# Altium PCB ct_mainpcb.PcbDoc (part 2 of 3)
Units mil, origin at the board's own origin, x right, y up, seen from the top; angles counter-clockwise.
Board outline 3320.87 x 2230 mil, 4 copper layers (Component Side, Ground Plane, Power Plane, Solder Side), stack 33.156 mil thick; 163 components, 169 nets, 876 pads, 286 vias.
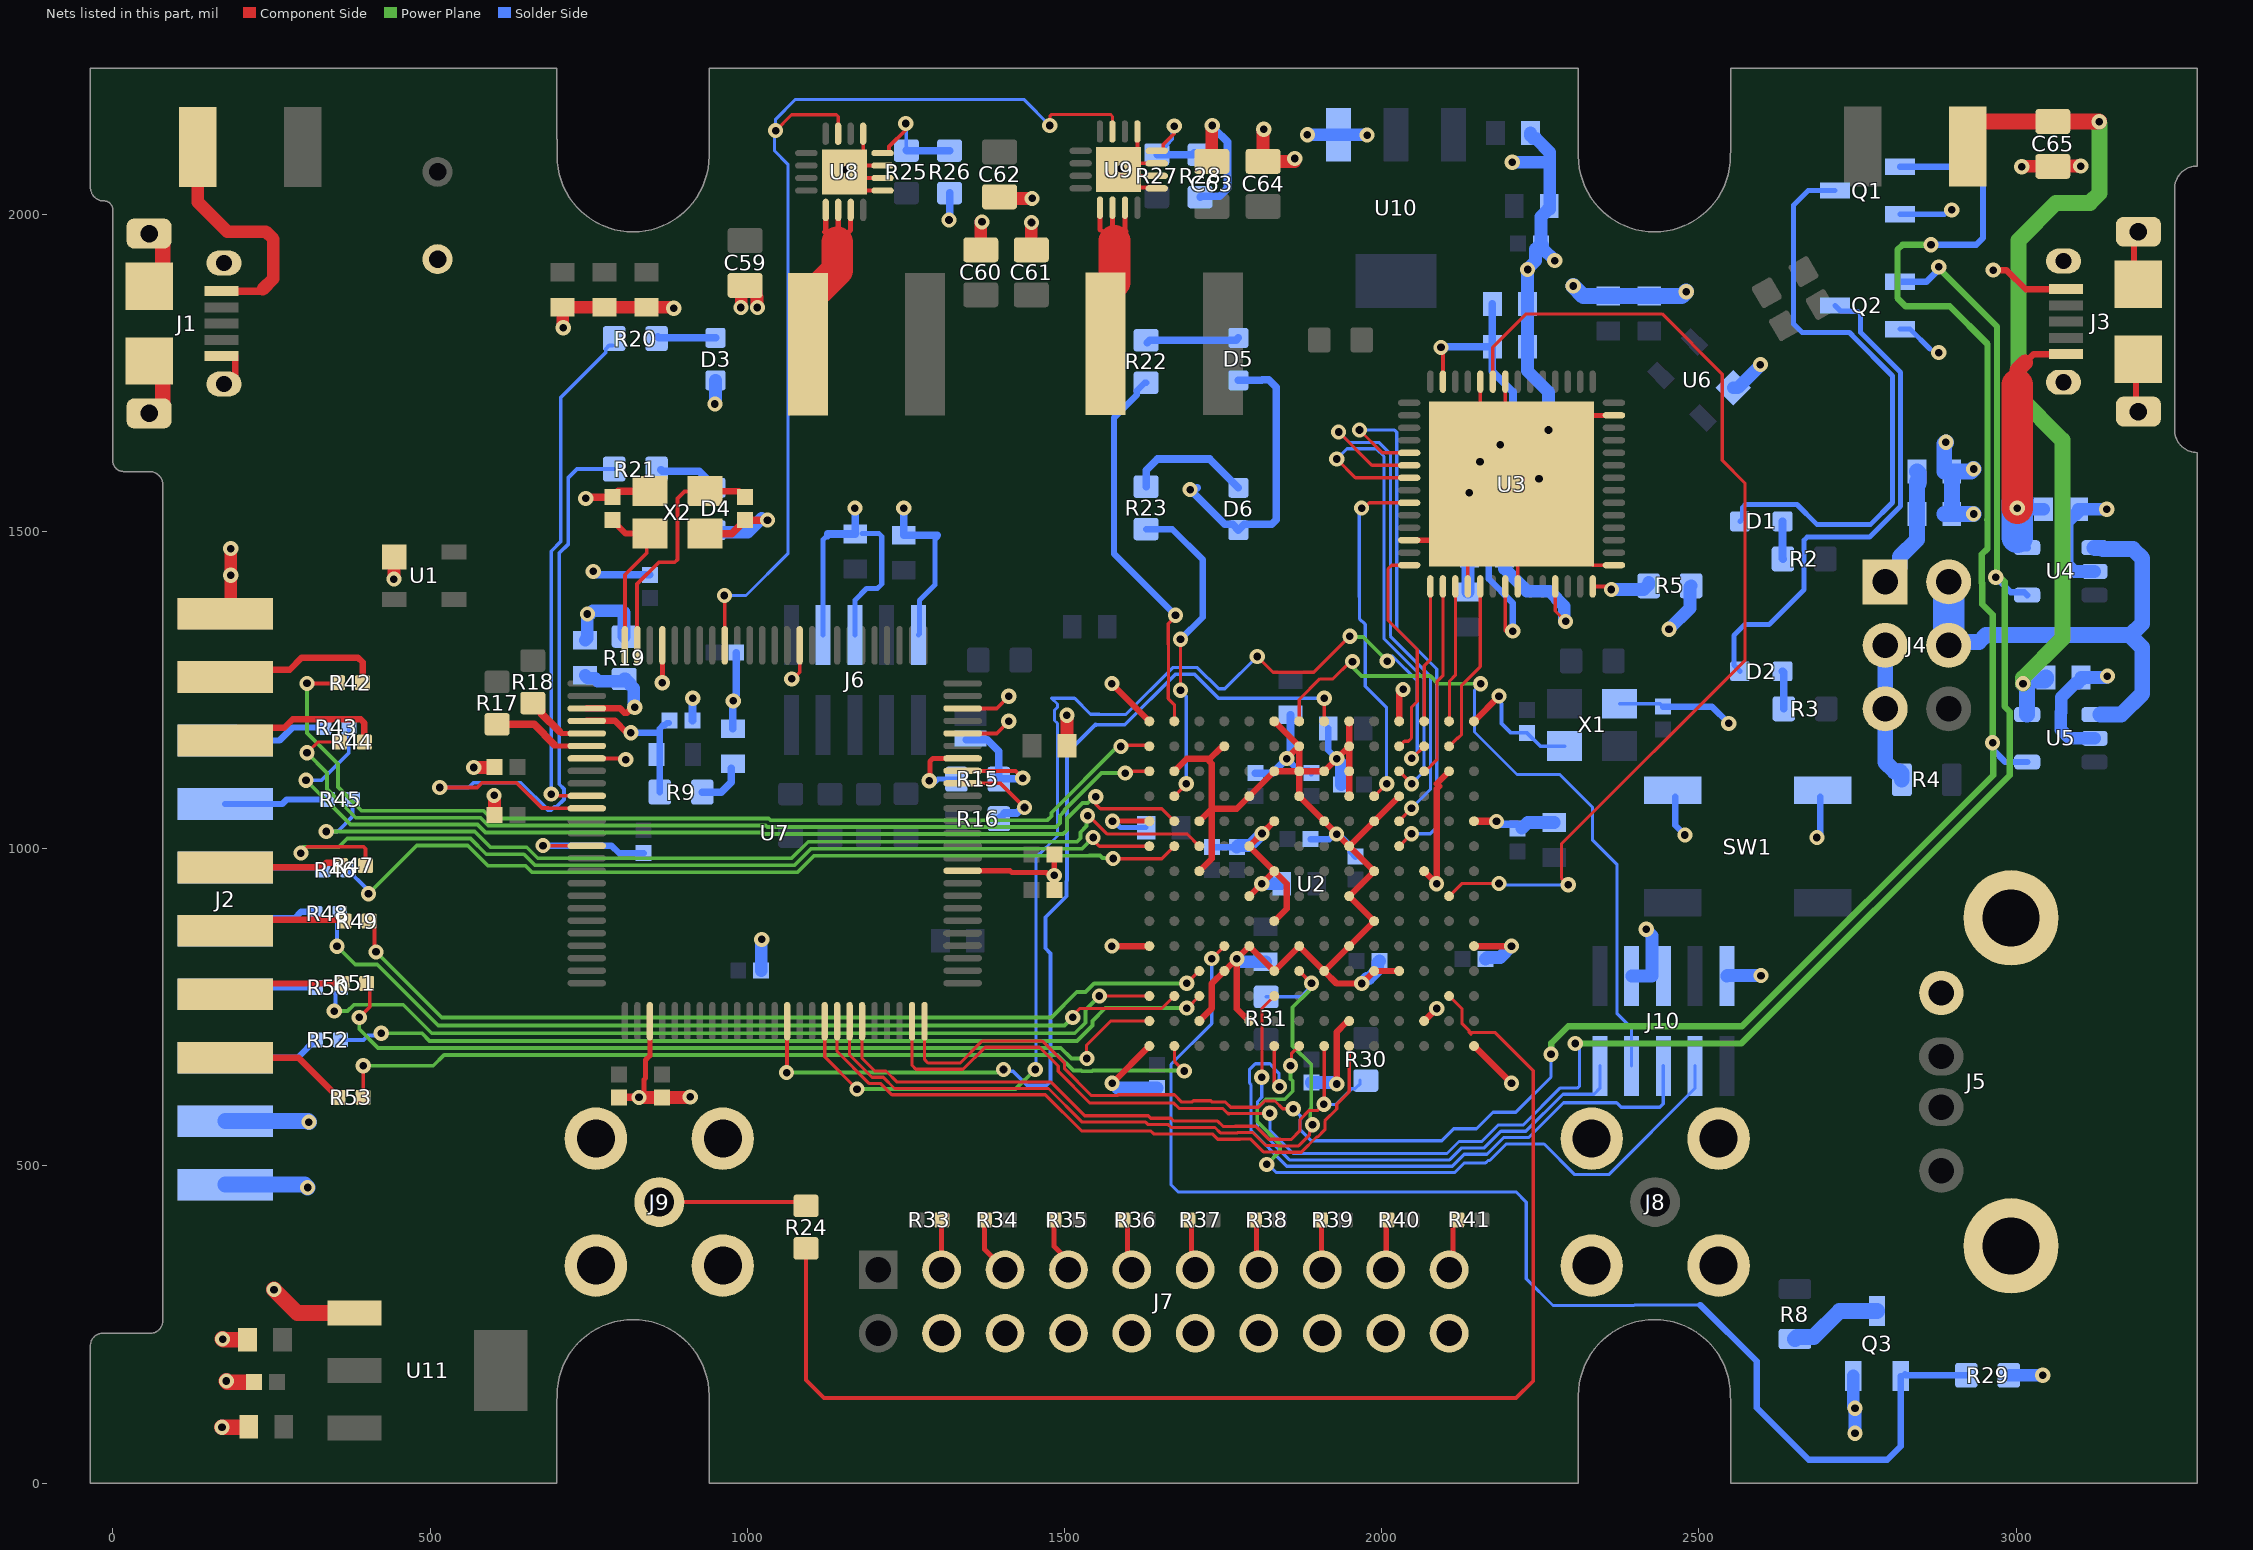
[diagram p4: the nets of this part, all layers, seen from the top]

## Via types
v1: diameter 24, hole 12, Component Side to Solder Side, tented both sides, 279 vias
v2: diameter 200, hole 130, Component Side to Solder Side, 4 vias
v3: diameter 24, hole 12, Component Side to Solder Side, 3 vias

## Nets (pads, with @x,y where several pads share a name; then routed paths per layer and width w, separated by ;. In a path a pad name is that pad's centre, name@x,y a point inside that pad or via, vN(x,y) a via of type N, cw(c..) or ccw(c..) an arc to the next point about the centre after c; other vN are vias at no path point) (continued)
F_USB24: U2.D10 U3.37 | length 560.1
  Component Side w5: v1(1968.32,1536.84) 1972.31,1536.84 1980.75,1545.28 U3.37@2043.31,1545.28 ; U2.D10@1988.19,1082.68 v1(2007.87,1102.36)
  Solder Side w5: v1(1968.32,1536.84) 1964.75,1533.28 1964.75,1396.68 1964.96,1396.47 1964.96,1362.73 1974.2,1353.48 1974.2,1255.85 2007.87,1222.18 v1(2007.87,1102.36)
F_USB25: U2.C11 U3.35 | length 790.8
  Component Side w5: v1(1929.13,1614.17) 1958.65,1584.65 U3.35@2043.31,1584.65 ; U2.C11@2027.56,1122.05 v1(2047.24,1102.36)
  Solder Side w5: v1(1929.13,1614.17) 1945.46,1630.5 1991.54,1630.5 2003.75,1618.29 2003.75,1330.88 2066.74,1267.89 2066.74,1121.86 v1(2047.24,1102.36)
F_USB26: U2.E11 U3.34 | length 854.3
  Component Side w5: v1(1932.17,1656.82) 1984.67,1604.33 U3.34@2043.31,1604.33 ; U2.E11@2027.56,1043.31 2027.56,1044.18 v1(2047,1063.62)
  Solder Side w5: v1(1932.17,1656.82) 1948.5,1640.5 1995.69,1640.5 2013.75,1622.43 2013.75,1335.02 2076.74,1272.03 2076.74,1093.37 v1(2047,1063.62)
F_USB27: U2.F11 U3.33 | length 873.9
  Component Side w5: v1(1965,1660) 2000.98,1624.02 U3.33@2043.31,1624.02 ; U2.F11@2027.56,1003.94 2047,1023.38 v1(2047,1023.57)
  Solder Side w5: v1(1965,1660) 1965.25,1659.75 2020.38,1659.75 2023.75,1656.38 2023.75,1346.28 2086.74,1283.29 2086.74,1033.59 2076.72,1023.57 v1(2047,1023.57)
F_USB28: U2.B11 U3.42 | length 350
  Component Side w5: U2.B11@2027.56,1161.42 2027.99,1161.42 2035.86,1169.29 2042,1169.29 2047,1174.29 2047,1223 2056,1232 2056,1314 2010,1360 2010,1441 2015.85,1446.85 U3.42@2043.31,1446.85
F_USB29: U2.A12 U3.43 | length 216.7
  Component Side w5: U2.A12@2066.93,1200.79 2067.24,1201.1 2067.24,1288.24 2076.77,1297.77 U3.43@2076.77,1413.39
F_USB30: U2.C12 U3.44 | length 304.8
  Component Side w5: U2.C12@2066.93,1122.05 2069.05,1122.05 2087,1140 2087,1263 2096.46,1272.46 U3.44@2096.46,1413.39
F_USB31: U2.A13 U3.45 | length 216.7
  Component Side w5: U2.A13@2106.3,1200.79 2107,1201.49 2107,1264 2116.14,1273.14 U3.45@2116.14,1413.39
F_USB32: U2.B13 U3.47 | length 273
  Component Side w5: U2.B13@2106.3,1161.42 2118.88,1174 2120,1174 2126,1180 2126,1257.42 2155.51,1286.93 U3.47@2155.51,1413.39
F_USBFE_CLK: U2.H13 U3.23 | length 1614.2
  Component Side w5: U2.H13@2106.3,925.2 2125.98,944.88 2184.89,944.88 v1(2185.04,945.03) ; U3.23@2175.2,1736.22 2175.2,1790.2 2228,1843 2441.99,1843 2537,1747.99 2537,1611.99 2572.5,1576.49 2572.5,1296.5 2283.36,1007.36 2283.36,953.64 v1(2294,943)
  Solder Side w5: v1@2191,948 2191,945.82 2193.82,943 v1(2294,943)
F_VBDC: Q3.1 R29.2 U2.K4 | length 2072.1
  Component Side w5: v1(1732.28,826.77) U2.K4@1751.97,846.46
  Solder Side w5: v1(1732.28,826.77) 1732.28,724.28 1668,660 1668,470 1679,459 2211.77,459 2228,442.77 2228,322 2270,280 2397.74,280 2398.53,280.79 2502,280.79
  Solder Side w10: 2502,280.79 2591,191.79 2591,119 2673,37 2797,37 2818.23,58.23 Q3.1@2818.23,168.77 ; Q3.1@2825,172 2825,171.02 2826.02,170 R29.2@2921.54,170
F_VBHOST: Q1.1 U5.4 U7.25 | length 3510.7
  Component Side w5: U7.25@1279.53,727.99 1279.53,667.47 1284.79,662.21 1335.93,662.21 1370.72,697 1464.86,697 1500.21,661.65 1500.21,653.21 1542.69,610.74 1583.2,610.74 1584.46,612 1673.42,612 1684.92,600.5 1701.08,600.5 1703.22,602.64 1730.78,602.64 1732.92,600.5 1753.93,600.5 1761.93,592.5 1805.91,592.5 1815.71,602.29 1831.86,602.29 1844.15,590 1857,590 v1(1860.57,590)
  Power Plane w10: v1(2267,676) 2267.59,676.59 2267.59,693.59 2294,720 2568,720 2964,1116 v1@2964,1166 ; v1(2866,1952) 2821.1,1952 2813,1943.9 2813,1868.07 2825.79,1855.28 2895.28,1855.28 2955.07,1795.49 2955.07,1518.45 2954.85,1518.22 ; 2955.07,1518 2955.07,1472.98 2946,1463.91 2946,1418.89 2946.5,1418.39 2946.5,1385.5 2963,1369 v1(2963,1167)
  Solder Side w5: v1(1860.57,590) 1872.42,578.14 1872.42,574 1871.5,573.08 1871.5,556.92 1888.92,539.5 2094.7,539.5 2113.64,558.44 2149.42,558.44 2175.48,584.5 2211.5,584.5 2267,640 v1(2267,676)
  Solder Side w10: Q1.1@2816.93,2074.8 2928.2,2074.8 2948,2055 2948,1963 2937,1952 v1(2866,1952) ; v1(2963,1167) 2963,1156.6 2983,1136.6 U5.4@3017.47,1136.6
F_VBSNIFF: Q2.1 U4.4 U7.24 | length 3182.8
  Component Side w5: U7.24@1259.84,727.99 1259.84,658.16 1265.79,652.21 1340.07,652.21 1374.86,687 1460.72,687 1490.21,657.51 1490.21,649.07 1540.28,599 1672.28,599 1680.78,590.5 1749.79,590.5 1753.71,586.58 1758.29,582 1759.85,582 1760.35,582.5 1823.49,582.5 v1(1823.78,582.79)
  Power Plane w10: v1(2305,693) 2567,693 2990,1116 2990,1216 2982,1224 2982,1421 v1@2975,1428 ; v1(2878,1917) 2881.89,1917 2882,1916.89 2879,1913.89 2970.07,1822.82 v1@2970.07,1430.07
  Solder Side w5: v1(1823.78,582.79) 1823.78,556.22 1860.5,519.5 2102.98,519.5 2121.92,538.44 2157.71,538.44 2183.76,564.5 2223.22,564.5 2281.69,622.97 2309.07,622.97 2312,625.9 2312,686 v1(2305,693)
  Solder Side w10: Q2.1@2816.93,1893.7 2858.91,1893.7 v1@2878.61,1913.39 ; v1(2968,1428) 2991.81,1404.19 3012.89,1404.19 U4.4@3017.47,1399.61
FPGA_CCLK: U2.A8 U7.14 | length 1556.2
  Component Side w6: v1(1062,647) 1062.5,647.5 1062.5,727.5 U7.14@1062.99,727.99 ; U2.A8@1909.45,1200.79 v1(1909.45,1237.07)
  Power Plane w6: v1(1062,647) 1399,647 v1(1404,652)
  Solder Side w6: v1(1404,652) 1406.85,649.15 1418.85,649.15 1441,627 1472,627 1478,633 1478,835 1470,843 1470,892 1503,925 1503,948.69 1503.97,949.66 1503.97,1150.97 1549,1196 1550,1195 ; 1551.05,1195.23 1595.13,1195.23 1674.9,1275 1705.13,1275 1743.05,1237.07 v1(1909.45,1237.07)
FPGA_CDOUT: U2.B12 U7.17 | length 1892.5
  Component Side w5: U7.17@1122.05,727.99 1122.05,671.95 v1(1173,621) ; v1(1803.74,1303) 1828.74,1278 1893,1278 v1(1950,1335) ; v1(2047.24,1142.36) 2047.87,1142.36 U2.B12@2066.93,1161.42
  Power Plane w6: v1(1173,621) 1423,621 v1(1454,652) ; v1(1950,1335) 1951.43,1333.57 1971,1333.57 v1(2008.86,1295.71)
  Solder Side w5: v1@1453,656 1455,658 1455,986 1489,1020 1489,1197.49 1484.36,1202.13 1484.36,1218.28 1489,1222.92 1489,1228 1480,1237 1516,1237 1541,1212 1555,1212 1555.52,1211.48 1596.52,1211.48 1670.55,1285.5 1709.48,1285.5 1742.98,1252 1752.74,1252 v1(1803.74,1303) ; v1(2008.86,1295.71) v1@2008.86,1298.76 ; v1@2016.82,1303.67 2056,1264.49 2056,1151.12 v1(2047.24,1142.36)
FPGA_CWIO0: R52.1 U2.M3 | length 1396.6
  Component Side w5: v1(1692.76,748.66) 1693.54,748.66 U2.M3@1712.6,767.72
  Power Plane w6: v1(423.23,708.98) 487.18,708.98 499.15,697 1519.84,697 1544,721.16 1544,728.32 1564.35,748.66 v1(1692.76,748.66)
  Solder Side w6: R52.1@358.73,698.64 395.16,698.64 402.23,705.71 419.96,705.71 v1(423.23,708.98)
FPGA_CWIO1: R48.1 U2.M2 | length 1446.5
  Component Side w5: v1(1513,734) 1513,737.19 1523.84,748.03 1653.54,748.03 U2.M2@1673.23,767.72
  Power Plane w6: v1(353.32,846.14) 382.17,817.28 416.7,817.28 512.82,721.16 1500.16,721.16 v1(1513,734)
  Solder Side w6: v1(353.32,846.14) 353.32,893.63 R48.1@357.68,898
FPGA_CWIO2: R49.2 U2.L3 | length 1424
  Component Side w5: v1(1692.76,788.03) 1711.82,807.09 U2.L3@1712.6,807.09
  Component Side w6: R49.2@403.95,885.86 412.65,877.16 412.65,839.53 v1(414.9,837.28)
  Power Plane w6: v1(414.9,837.28) 415.09,837.28 518.37,734 1479.43,734 1519.3,773.86 1532.98,773.86 1546.83,787.71 1563.4,787.71 1563.53,787.59 1692.32,787.59 v1(1692.76,788.03)
FPGA_CWIO3: R45.1 U2.F3 | length 1533.7
  Component Side w5: v1(1536.48,1051.78) 1538.57,1051.78 1566.98,1023.38 1693.16,1023.38 U2.F3@1712.6,1003.94
  Power Plane w6: v1(336.38,1027.09) 336.59,1026.88 570.46,1026.88 595.05,1002.29 652.4,1002.29 669.81,984.88 1069.99,984.88 1096.05,1010.94 1519.67,1010.94 1525.2,1016.48 1525.2,1025.86 1534.95,1035.61 1534.95,1050.25 v1(1536.48,1051.78)
  Solder Side w6: v1(336.38,1027.09) 354.4,1027.09 378,1050.69 R45.1@378,1077.42
  Solder Side w10: v1(336.38,1027.09) v1@336.59,1026.88
FPGA_CWIO4: R47.2 U2.F1 | length 1514.7
  Component Side w5: v1(1545.2,1017.57) 1545.2,1013.85 1555.12,1003.94 U2.F1@1633.86,1003.94
  Component Side w6: v1(296.48,993.08) 306.32,1002.93 395.09,1002.93 398.13,999.89 R47.2@398.13,973.31
  Power Plane w6: v1@301.4,1002.93 356.63,1002.93 369.58,1015.88 564.02,1015.88 588.61,991.29 647.84,991.29 665.25,973.88 1074.54,973.88 1100.6,999.94 1527.57,999.94 v1(1545.2,1017.57)
FPGA_CWIO5: R44.2 U2.C1 | length 1498.3
  Component Side w5: v1@303.83,1153.39 308.42,1153.39 323.03,1168 R44.2@357.13,1168 ; v1(1595.66,1119.11) 1598.6,1122.05 U2.C1@1633.86,1122.05
  Component Side w12: v1@303.83,1153.39 v1(306.12,1151.1)
  Power Plane w6: v1(306.12,1151.1) 337.76,1119.46 337.76,1093.97 382.85,1048.88 579.57,1048.88 591.86,1036.59 1028.98,1036.59 1031.61,1033.96 1486.71,1033.96 1492.86,1040.11 1492.86,1052 1500.16,1059.3 1500.16,1060.71 1529.36,1089.9 1529.36,1090.31 1558.16,1119.11 v1(1595.66,1119.11)
FPGA_CWIO6: R53.2 U2.P2 | length 1408.4
  Component Side w5: U2.P2@1673.23,688.98 1673.23,665.23 v1(1688.85,649.61)
  Component Side w6: R53.2@394.54,607.89 394.68,608.03 v1(394.68,657.72)
  Power Plane w6: v1(394.68,657.72) 504.98,657.72 522.27,675 1489.52,675 1514.28,650.24 1526.2,650.24 1527.15,649.29 1543.71,649.29 1544.66,650.24 1688.22,650.24 v1(1688.85,649.61)
FPGA_CWIO7: R51.2 U2.N1 | length 1383.3
  Component Side w5: v1(1535.43,669.29) 1534.69,670.03 1534.69,690.36 1572.68,728.35 1595.35,728.35 U2.N1@1633.86,728.35
  Component Side w6: v1(388.41,734) 404.94,750.53 404.94,782.82 R51.2@400.22,787.54
  Power Plane w6: v1(388.41,734) 388.41,715.51 417.92,686 1494.23,686 1510.94,669.29 v1(1535.43,669.29)
FPGA_CWIO8: R50.1 U2.M1 | length 1384.9
  Component Side w5: v1(1555.11,767.71) 1594.49,767.72 U2.M1@1633.86,767.72
  Power Plane w6: v1(349.04,744) 370.13,744 380.13,754 457.71,754 502.67,709.04 1516.32,709.04 1533,725.72 1533,745.6 v1(1555.11,767.71)
  Solder Side w6: v1(349.04,744) 350.84,745.79 350.84,772.95 R50.1@359.08,781.19
FPGA_CWIO9: R46.1 U2.F2 | length 1391.4
  Component Side w5: v1(1576.63,984.44) 1576.81,984.25 1653.54,984.25 U2.F2@1673.23,1003.94
  Power Plane w6: v1(403.05,929) 478.93,1004.88 559.47,1004.88 591.17,973.18 650.39,973.18 660.69,962.88 1079.1,962.88 1105.16,988.94 1539.24,988.94 1539.59,989.29 1556.16,989.29 1559.97,985.48 1575.59,985.48 v1(1576.63,984.44)
  Solder Side w6: R46.1@370.35,966.65 399.6,937.41 399.6,932.44 v1(403.05,929)
FPGA_CWIO10: R43.1 U2.E2 | length 1591
  Component Side w5: v1(1549.36,1082.02) 1549.36,1070.22 1556.58,1062.99 1653.54,1062.99 U2.E2@1673.23,1043.31
  Power Plane w6: v1(304.41,1107.83) 374.36,1037.88 575.02,1037.88 587.31,1025.59 1024.43,1025.59 1027.06,1022.96 1497.71,1022.96 1503.86,1029.11 1503.86,1047.44 1528.2,1071.78 1536.84,1071.78 1547.08,1082.02 v1(1549.36,1082.02)
  Solder Side w6: v1(304.41,1107.83) 329.12,1107.83 371.87,1150.59 R43.1@371.87,1191.02
  Solder Side w12: v1(304.41,1107.83) v1@304.41,1111.08
FPGA_CWIO11: R42.2 U2.B1 | length 1586
  Component Side w5: v1@1588,1163 1632.28,1163 U2.B1@1633.86,1161.42
  Component Side w6: v1(306.12,1260.55) 353.32,1260.55 R42.2@354.33,1261.57
  Power Plane w6: v1(306.12,1260.55) 306.12,1182.21 354.81,1133.53 354.81,1097.01 391.94,1059.88 584.13,1059.88 596.42,1047.59 1033.54,1047.59 1036.17,1044.96 1473.29,1044.96 1479.43,1051.11 1479.43,1056.76 1583.67,1161 v1(1589,1161)
FPGA_DONE: U2.P9 U7.18 | length 1045.9
  Component Side w5: U7.18@1141.73,727.99 1141.73,680.38 1192.5,629.61 1210.39,629.61 1228,612 1470,612 1527,555 1636.29,555 1640.79,550.5 1733.22,550.5 1741.72,542 1776.42,542 1776.92,542.5 1793.08,542.5 1813.58,522 1832.14,522 1832.64,521.5 1873.3,521.5 1897.3,545.5 1899.08,545.5 1910.5,556.92 1910.5,570.92 1929.25,589.67 1929.25,597.33 1948,616.08 1948,618 ; 1948.82,617 U2.P9@1948.82,688.98
FPGA_INITB: R30.2 U2.P8 U7.20 | length 1041
  Component Side w5: U7.20@1181.1,727.99 1181.1,669.29 1200.79,649.61 1218.68,649.61 1236.28,632 1479,632 1532,579 1632,579 1636,575 1668,575 1672.5,570.5 1741.5,570.5 1750,562 1768.14,562 1768.64,562.5 1801.36,562.5 1821.86,542 1840.42,542 1840.92,541.5 1857.08,541.5 1871.5,555.92 1871.5,573.08 1885.92,587.5 1899.5,587.5 v1(1909,597) 1909,603.55 1909.45,604 U2.P8@1909.45,688.98
  Solder Side w5: v1(1909,597) 1928,597 1952.56,621.56 1957.96,621.56 1966,629.6 R30.2@1966,635
FPGA_PGMB: R31.2 U2.L7 U7.19 | length 1194.4
  Component Side w5: U7.19@1161.42,727.99 1161.42,674.83 1196.65,639.61 1214.54,639.61 1232.14,622 1474.86,622 1527.86,569 1627.86,569 1631.86,565 1663.85,565 1668.35,560.5 1737.36,560.5 1745.86,552 1772.28,552 1772.78,552.5 1797.22,552.5 1817.72,532 1836.28,532 1836.78,531.5 1869.16,531.5 1886.08,548.42 1886.08,552.64 v1@1888.86,555.42
  Component Side w6: U2.L7@1870.08,807.09 v1(1889.45,787.72)
  Power Plane w6: v1@1885,570 1887.51,572.51 1887.51,589.49 ; v1@1886.01,776.59 1859.51,750.09 1859.51,689.07 1889,659.58 1889,588
  Solder Side w6: R31.2@1818,766.46 1873.46,766.46 1883.23,776.23 1883.23,776.63 1891.6,785 v1@1892,785
  other v1: 1891,565
FPGA_TCK: J10.4 U2.A7 | length 1112.8
  Component Side w5: U2.A7@1870.08,1200.79 1870.08,1235.08 1902.64,1267.64 1923.23,1267.64 1950.45,1294.85 v1(1954,1294.85)
  Power Plane w6: v1(1954,1294.85) 1954,1286.31 1968.28,1272.03 2076.74,1272.03 2088.93,1259.84 v1(2156,1259.84)
  Solder Side w5: v1(2156,1259.84) 2146.3,1250.14 2146.3,1183.97 2213.36,1116.91 2281,1116.91 2332.16,1065.76 2332.16,1013.78 2371.06,974.87 2371.06,739.62 2394,716.69 J10.4@2394,657.72
FPGA_TDI: J10.8 U2.P7 | length 1068.9
  Component Side w5: v1(1856.3,657.72) 1857.8,659.21 1857.8,676.69 U2.P7@1870.08,688.98
  Power Plane w6: v1(1818.9,502.32) 1839.84,523.26 1839.84,533.87 1803.78,569.93 1803.78,591.08 1817.7,605 1847.28,605 1859.84,617.56 1859.84,633.57 1856.3,637.11 v1(1856.3,657.72)
  Solder Side w5: v1(1818.9,502.32) 1820.84,502.32 1833.66,489.5 2115.41,489.5 2130.55,504.64 2163.78,504.64 2167.58,508.44 2170.13,508.44 2196.19,534.5 2256.08,534.5 2304.38,486.2 2357.92,486.2 2494,622.28 J10.8@2494,657.72
FPGA_TDO: J10.6 U2.P6 | length 1010.6
  Component Side w5: v1@1830.71,630.63 U2.P6@1830.71,688.98 ; v1(1839,625) 1839.28,625.28 v1@1839.84,625.28
  Solder Side w5: 1826.5,657.5 1838,646 v1@1838,628 ; 1827,658 1824,661 1801,661 1791.52,651.52 1791.52,631.69 1792.5,630.71 1792.5,629.5 1794.28,627.72 1794.28,555.72 1850.5,499.5 2111.27,499.5 2130.21,518.44 2165.99,518.44 2192.05,544.5 2231.5,544.5 2286.63,599.63 2370.37,599.63 2377.48,592.52 2438.63,592.52 2444,597.88 J10.6@2444,657.72
FPGA_TMS: J10.2 U2.M6 | length 861.5
  Component Side w5: v1(1811.02,639.76) 1811.34,640.08 1811.34,748.35 U2.M6@1830.71,767.72
  Solder Side w5: v1(1811.02,639.76) 1811.02,608.04 1804.28,601.3 1804.28,559.86 1854.64,509.5 2107.12,509.5 2126.07,528.44 2161.85,528.44 2187.91,554.5 2227.36,554.5 2285.83,612.97 2334.69,612.97 2344,622.28 J10.2@2344,657.72
FPGA_TRIGOUT: R24.1 U2.M13 | length 2066.4
  Component Side w5: U2.M13@2106.72,767.72 U2.M13@2106.3,767.72 2126.74,747.27 2126.74,724.16 2138.11,712.79 2138.11,710.51 ; 2141.04,707.58 2138.11,710.51 ; 2238.93,406.7 2238.93,649.93 2178.35,710.51 2138.11,710.51
  Component Side w6: R24.1@1092.62,370.04 1092.62,162.56 1121.06,134.12 2212,134.12 2238.93,161.05 2238.93,406.7
GND: C1.2 C2.2 C3.2 C4.2 C5.2 C6.2 C7.2 C8.2 C9.2 C10.2 C11.2 C12.2 C13.1 C14.1 C15.2 C16.2 C17.2 C18.2 C19.1 C20.1 C21.2 C22.2 C23.2 C24.2 C25.2 C26.2 C27.2 C28.2 C29.2 C30.2 C31.2 C32.2 C33.2 C34.2 C35.2 C36.2 C37.2 C38.2 C41.2 C42.2 C43.2 C44.2 C45.2 C46.2 C47.2 C48.2 C49.2 C50.2 C51.2 C52.2 C53.2 C54.2 C55.2 C56.2 C57.2 C58.2 C59.2 C60.2 C61.2 C62.2 C63.2 C64.2 C65.2 C66.2 C67.2 C68.2 C69.2 C70.2 C71.2 D3.K D4.K D5.K D6.K J1.5 J1.S1 J1.S2 J2.2 J2.17 J2.19 J3.5 J3.S1 J3.S2 J5.4 J5.S1 J5.S2 J6.3 J6.5 J6.9 J7.4 J7.6 J7.8 J7.10 J7.12 J7.14 J7.16 J7.18 J7.20 J8.2 J8.3 J8.4 J8.5 J9.2 J9.3 J9.4 J9.5 J10.3 J10.5 J10.9 Q1.2 Q2.2 Q3.2 R5.2 R15.2 R19.2 R26.2 R28.2 R29.1 SW1.2 SW1.3 U1.1 U2.A1 U2.A6 U2.A9 U2.A11 U2.A14 U2.B4 U2.B7 U2.B9 U2.C2 U2.C6 U2.C7 U2.C8 U2.C9 U2.C13 U2.D5 U2.D7 U2.D9 U2.D11 U2.E1 U2.E3 U2.E6 U2.E8 U2.E10 U2.E14 U2.F5 U2.F9 U2.G3 U2.G6 U2.G10 U2.G12 U2.H5 U2.H9 U2.J6 U2.J10 U2.K1 U2.K5 U2.K7 U2.K9 U2.K14 U2.L4 U2.L6 U2.L8 U2.L10 U2.L11 U2.N3 U2.N5 U2.N9 U2.N12 U2.P1 U2.P14 U3.1 U3.13 U3.22 U3.24 U3.40 U3.46 U3.50 U3.57 U4.2 U5.2 U6.1 U7.3 U7.35 U7.44 U7.46 U7.48 U7.61 U7.72 U7.82 U7.89 U8.1 U8.2 U8.3 U8.5 U8.17 U9.1 U9.2 U9.3 U9.5 U9.17 U10.1 U11.1 X1.2 X1.4 X2.2 X2.4 | length 13619.2
  Component Side w6: v1(678.09,1004.88) 678.41,1004.57 U7.89@747.05,1004.57 ; U7.82@747.05,1142.36 806.67,1142.36 v1(808.66,1140.37) ; v1(1069.99,1267.64) 1072.15,1267.64 1082.68,1278.17 U7.61@1082.68,1320.51 ; U8.17@1177,2084 1182.78,2089.78 U8.5@1182.78,2126.97 ; U8.17@1179,2076 1179.77,2076.77 U8.3@1213.29,2076.77 ; U8.17@1181,2055 1183.09,2057.09 U8.2@1213.29,2057.09 ; U8.17@1184,2040 1184,2039.08 1185.68,2037.4 U8.1@1213.29,2037.4 ; U7.46@1339.57,1181.73 1393.26,1181.73 v1(1412.31,1200.79) ; U7.48@1339.57,1221.1 1393.26,1221.1 v1(1412.31,1240.16) ; U9.17@1597,2080 1597.3,2080.3 U9.3@1645.54,2080.3 ; U9.17@1607,2042 1629.94,2042 1630.28,2041.66 1644.81,2041.66 U9.1@1645.54,2040.93 ; U9.17@1608,2063 1610.39,2060.61 U9.2@1645.54,2060.61 ; U9.5@1615.03,2130.49 1615.03,2088.97 U9.17@1618,2086 ; U3.46@2135.83,1413.39 2135.83,1505.91 U3.57@2204.72,1574.8 ; U3.24@2155.51,1736.22 2155.51,1624.02 U3.57@2194.88,1584.65 ; U3.22@2194.88,1736.22 U3.57@2194.88,1584.65 ; U3.50@2214.57,1413.39 U3.57@2214.57,1564.96 ; U3.1@2366.14,1446.85 2332.68,1446.85 U3.57@2214.57,1564.96 ; U3.57@2194.88,1584.65 U3.57@2204.72,1574.8 ; U3.57@2204.72,1574.8 U3.57@2214.57,1564.96
  Component Side w8: v1@837,610 837,635.84 839.77,638.62 839.77,666.77 846.46,673.46 U7.3@846.46,727.99 ; v1(866.14,1261.61) U7.72@866.14,1320.51 ; v1@1287,1114 1287.61,1114 1288,1114.39 1288,1137.68 1292.69,1142.36 U7.44@1339.57,1142.36 ; U7.35@1339.57,965.2 1414.31,965.2 1417.32,962.18 1471.28,962.18 1472.46,961 1480.91,961 v1(1483.97,957.94) C24.2@1483.97,990.95 ; v1(1575.66,1043.31) U2.E1@1633.86,1043.31 ; U3.40@2043.31,1486.22 2118.78,1486.22 U3.57@2120,1485 ; U3.57@2204.72,1574.8 2312.99,1683.07 U3.13@2366.14,1683.07
  Component Side w10: J1.5@192.91,1776.57 192.91,1736.22 J1.S2@196.85,1732.28 ; v1(1574.8,846.46) U2.K1@1633.86,846.46 ; v1(1574.8,1260.16) 1574.8,1259.84 U2.A1@1633.86,1200.79 ; v1(1575.12,630.24) U2.P1@1633.86,688.98 ; U2.C2@1673.23,1122.05 1692.91,1141.73 1729.13,1141.73 ; U2.N3@1712.6,728.35 1732.28,748.03 1732.28,787.4 U2.L4@1751.97,807.09 v1@1771.65,826.77 ; U2.G3@1712.6,964.57 1732.28,984.25 1732.28,1062.99 ; U2.E3@1712.6,1043.31 1732.28,1062.99 ; U2.B4@1751.97,1161.42 1750.41,1161.42 1747.54,1158.54 1745.94,1158.54 1729.13,1141.73 ; U2.N5@1791.34,728.35 1771.81,747.87 v1(1771.81,826.61) v1@1771.65,826.77 ; U2.H5@1791.34,925.2 v1(1811.02,944.88) U2.G6@1830.71,964.57 ; U2.J6@1830.71,885.83 1850.39,905.51 1850.39,944.88 U2.G6@1830.71,964.57 ; U2.E6@1830.71,1043.31 v1(1811.34,1023.94) U2.F5@1791.34,1003.94 U2.G6@1830.71,964.57 ; U2.A6@1830.71,1200.79 U2.B7@1870.08,1161.42 ; v1(1850.24,1142.05) 1869.61,1161.42 U2.B7@1870.08,1161.42 ; v1(1929,1023) v1@1929,1023.76 ; v1(1929.13,629) 1928.98,629.16 1928.98,710.94 1943.5,725.47 1944.39,725.47 1947.26,728.35 U2.N9@1948.82,728.35 ; v1(1929.13,1142.05) v1@1929.13,1141.73 ; U2.D9@1948.82,1082.68 U2.C9@1948.82,1122.05 U2.B9@1948.82,1161.42 ; U2.A9@1948.82,1200.79 U2.B9@1948.82,1161.42 ; U2.L11@2027.56,807.09 U2.L10@1988.19,807.09 v1(1968.5,787.4) 1928.82,787.4 1909.45,806.77 U2.L8@1909.45,807.09 ; U2.D11@2027.56,1082.68 U2.E10@1988.19,1043.31 U2.F9@1948.82,1003.94 ; U2.A11@2027.56,1200.79 2027.56,1244.84 v1(2033.81,1251.09) ; U2.N12@2066.93,728.35 2067.24,728.35 v1(2086.91,748.01) ; U2.G12@2066.93,964.57 v1(2086.61,944.88) 2086.61,1094.48 2090.55,1098.43 2086.61,1102.36 U2.C13@2106.3,1122.05 ; U2.P14@2145.67,688.98 2145.98,688.98 v1(2204.72,630.24) ; U2.K14@2145.67,846.46 v1(2204.72,846.46) ; U2.A14@2145.67,1200.79 2145.67,1201.1 v1(2185.04,1240.47) ; v1(2964,1912) 2985,1912 3015.11,1881.89 J3.5@3074.8,1881.89 ; J3.S1@3186,1972 3186,1892.74 J3.S1@3188.98,1889.76 ; J3.S1@3188.98,1771.65 3188.98,1688.98 3188.98,1687.02 J3.S1@3194,1682 ; 1729.13,1141.73 1729.13,1137 1732.28,1133.85 1732.28,1062.99 ; 1732.28,1062.99 1732.28,1063.15 1771.81,1063.15 U2.D5@1791.34,1082.68 U2.C6@1830.71,1122.05 U2.C7@1870.08,1122.05 ; v1@1771.65,826.77 U2.K5@1791.34,846.46 U2.L6@1830.71,807.09 U2.K7@1870.08,846.46 U2.L8@1909.45,807.09 ; U2.C7@1870.08,1122.05 U2.D7@1870.08,1082.68 U2.E8@1909.45,1043.31 v1@1929,1023.76 ; U2.C7@1870.08,1122.05 U2.B7@1870.08,1161.42 ; U2.C7@1870.08,1122.05 U2.C8@1909.45,1122.05 v1@1929.13,1141.73 ; U2.L8@1909.45,807.09 U2.K9@1948.82,846.46 U2.J10@1988.19,885.83 U2.H9@1948.82,925.2 U2.G10@1988.19,964.57 U2.F9@1948.82,1003.94 ; v1@1929,1023.76 U2.F9@1948.82,1003.94 ; v1@1929.13,1141.73 U2.B9@1948.82,1161.42
  Component Side w12: v1(745.42,1552.13) 747.47,1554.17 C37.2@787.4,1554.17 796.85,1563.62 X2.2@846.46,1563.62 ; C28.2@798,607.89 828.6,607.89 828.71,608 v1@837,608 ; X2.4@933.07,1496.69 975.28,1496.69 C36.2@996.54,1517.95 v1(1031.97,1517.95) ; U2.E14@2145.67,1043.31 2180.69,1043.31 v1(2181,1043)
  Component Side w20: J2.2@177.17,1370.47 186,1379.31 v1(186,1431) v1(186,1473) ; v1(443,1425) 443.28,1425.28 443.28,1459.24 U1.1@443.57,1459.53 ; v1(569,1128) 601.02,1128 C33.2@601.97,1128.95 ; v1(601,1084) 601.68,1083.32 601.68,1053.43 C32.2@601.97,1053.15 ; v1(710,1821) 709.33,1821.67 709.33,1852.68 C1.2@708.66,1853.35 843.35,1853.35 C3.2@845,1855 ; v1(829.34,607.89) C27.2@866,607.89 909.27,607.89 v1(910.09,608.71) ; C3.2@841.36,1853.35 881.57,1853.35 882.92,1852 v1(884,1852) ; v1(990,1853) 990.77,1853.77 990.77,1882.03 C59.2@996.54,1887.8 1004.41,1887.8 1014.09,1878.11 1014.09,1870.24 1015.23,1869.1 1015.23,1853.77 v1(1016,1853) ; U8.17@1153.25,2066.93 1153.25,2070 v1(1155,2070) ; C60.2@1368.1,1943.9 1368.1,1988 v1(1370,1988) ; C62.2@1397.64,2027.56 1397.64,2025 v1(1449,2025) ; C61.2@1447.75,1943.9 1447.75,1987 v1(1448,1987) ; v1(1503.86,1210.2) 1503.94,1210.13 C23.2@1503.94,1162.05 ; U9.17@1585.5,2070.45 1585.5,2072 v1(1589,2072) ; C63.2@1732.28,2083.2 1732.28,2140 v1(1733,2140) ; v1(1814,2134) 1812.99,2134 C64.2@1812.99,2083.2 1863,2083.2 v1(1863,2088) ; v1(3009,2075) 3009.57,2075.57 C65.2@3058,2075.57 3058.43,2076 v1(3102,2076)
  Component Side w25: J1.S1@78.74,1686.02 J1.S1@78.74,1768.7 ; J1.S1@78.74,1886.81 J1.S1@78.74,1969.49 ; v1(172,88) 213.44,88 C66.2@214.44,89 ; v1(173,227) 174,226 C68.2@212.44,226 ; v1(179,161) 181,159 C67.2@222.89,159 ; v1(254,305) 291.09,267.91 U11.1@380.91,267.91
  Solder Side w6: v1(2185.04,1240.47) 2188.48,1237.03 2188.48,1228.45 2188.98,1227.96 2188.98,1197.52 2203.9,1182.59 C6.2@2229.34,1182.59 2250.4,1161.53 X1.2@2288.54,1161.53 ; X1.4@2375.15,1228.46 2438.63,1228.46 C5.2@2443.35,1223.74
  Solder Side w8: J6.3@1119.68,1336.96 1119.68,1487.34 1123.35,1491 1127,1491 ; J6.5@1169.68,1336.96 1169.68,1391.68 1188,1410 1205,1410 1212,1417 1212,1492.31 1207.31,1497 C35.2@1181,1497 ; J6.9@1269.68,1336.96 1271.52,1338.8 1271.52,1391.52 1296,1416 1296,1481.41 1296.15,1481.56 1296.15,1487.15 1301,1492 ; v1(1287,1107) 1289.19,1104.81 1295.81,1104.81 1300.58,1109.58 R15.2@1329.72,1109.58 ; v1(1575.66,1043.31) 1578.19,1043.31 1588.35,1033.15 C58.2@1628.74,1033.15 ; Q2.2@2816.93,1818.9 2833.1,1818.9 2864.19,1787.81 ; Q1.2@2816.93,2000 2887.4,2000 2894.29,2006.89 v1(2898.62,2006.89)
  Solder Side w10: v1(678.09,1004.88) 785.97,1004.88 798.02,992.83 C26.2@836.61,992.83 ; C53.2@1732.28,1002.36 C45.2@1771.65,1002.36 ; v1(1850.24,1142.05) 1869.33,1122.96 1885.29,1122.96 C43.2@1889.13,1119.11 ; C44.2@1887.72,1015 1917.21,1015 1923.21,1021 v1@1928,1021 ; C51.2@1915.95,1189.61 1915.95,1155.24 v1(1929.13,1142.05) ; v1@1935,1020 1951.06,1003.94 1951.06,995 C41.2@1958.66,987.4 ; C5.2@2443.35,1223.74 2520.79,1223.74 v1(2547,1197.52) ; SW1.2@2462.83,1081.93 2462.83,1036.76 v1(2477.94,1021.65) ; v1(2686.02,1017.57) 2691.17,1022.72 SW1.3@2691.17,1081.93
  Solder Side w12: v1(757.28,1437.01) 762.8,1431.5 C25.2@846.46,1431.5 ; C21.2@913.78,1202.02 913.78,1236.78 v1(914,1237) ; C22.2@977.42,1188.98 977.42,1232.42 v1(978,1233) ; v1@982.68,1242.92 C31.2@982.68,1309.06 ; 1127,1496.06 C35.2@1170.28,1496.06 1170.28,1536.25 v1(1169.68,1536.84) ; v1(1246.79,1536.84) C34.2@1246.79,1494.09 1299.21,1494.09 ; v1(1318,1991) 1318.9,1991.9 R26.2@1318.9,2033.46 ; v1@1709.49,1569 1708.78,1568.3 1700.3,1568.3 v1(1698,1566) 1752.8,1511.2 1764.98,1511.2 D6.K@1774.21,1501.97 1783.44,1511.2 1826.63,1511.2 1833.66,1518.23 1833.66,1727.36 1821.9,1739.12 1811.96,1739.12 1811.02,1738.19 D5.K@1774.21,1738.19 ; R28.2@1713.83,2027.15 1715.16,2028.48 1744.48,2028.48 1757,2041 1757,2114 v1@1736,2135 ; C42.2@1801.18,1119.11 1827.3,1119.11 v1(1850.24,1142.05) ; v1@1856.3,1151.36 C48.2@1856.3,1211.21 ; v1(2181,1043) 2184.25,1043 2188.76,1038.49 2213.51,1038.49 C52.2@2218,1034
  Solder Side w20: C38.2@744.42,1328.5 748,1332.08 v1(748,1370) ; v1@752,1370 756.92,1374.92 803,1374.92 805.77,1372.15 805.77,1334.63 R19.2@806,1334.4 ; v1(949,1701) 949,1702.08 950,1703.08 D3.K@950,1738.19 ; D4.K@950,1498.66 1000.66,1498.66 v1@1023,1521 ; C29.2@1022.05,807.72 1022.05,855.05 1023,856 v1(1023,857) ; v1(1575.12,630.24) 1576.2,630.24 1583.55,622.89 C54.2@1646,622.89 ; C45.2@1771.65,1002.36 1774.25,1004.96 1792.36,1004.96 v1(1811.34,1023.94) ; v1(1771.81,826.61) 1776.63,821.8 C46.2@1816.93,821.8 ; v1(1811.02,944.88) C47.2@1842.52,944.88 ; v1(1883,2125.21) U10.1@1932.17,2125.21 1976.6,2125.21 v1(1977,2124.81) ; C55.2@1889.13,631.5 1925.56,631.5 1928.05,629 v1(1929.13,629) ; C49.2@1936.28,1101 v1@1936.28,1133.82 ; v1(1968.5,787.4) 1976.5,795.4 1979.91,795.4 1993.86,809.35 1993.86,820.4 C50.2@1996.46,823 ; C12.2@2136,1404.56 2136,1555 2138,1557 v1(2138,1561) ; v1@2154.55,1609 2154.55,1609.55 v1(2155,1610) ; v1@2154.55,1610 2154.55,1643 ; C9.2@2154.55,1673.23 2154.55,1643 ; C56.2@2163.78,826 2166.38,828.6 2186.87,828.6 v1(2204.72,846.46) ; v1(2187,1637) 2160.55,1637 2154.55,1643 ; v1(2206,2082) 2265,2082 ; C52.2@2221,1032 2230.34,1041.34 C57.2@2272.14,1041.34 ; v1@2229,1912 2229,1913.08 2242.49,1926.57 2242.49,1945.38 C70.2@2251.11,1954 ; v1(2230,1913) 2229.75,1912.75 C16.2@2229.75,1858.66 2229.75,1753.25 2263,1720 v1(2263,1660) ; C69.2@2234.56,2128 2234.56,2124.06 2239.32,2119.3 2243.26,2119.3 2265,2097.56 2265,2082 ; C7.2@2246.06,1486.22 2246.06,1581.06 v1(2248,1583) ; C71.2@2262,2008 2262,2007.06 2251.11,1996.17 C70.2@2251.11,1954 ; C71.2@2265,2008 2265,2082 ; v1(2273,1927) 2253.71,1946.29 2253.71,1951.4 C70.2@2251.11,1954 ; J10.3@2394,799.45 2426,799.45 2426,862.92 2417,871.92 v1(2417,873) ; v1(2453,1346) 2485.96,1378.96 2485.96,1412.55 R5.2@2487.78,1414.37 ; J10.9@2544,799.45 2544.55,800 v1(2598,800) ; U6.1@2554.14,1726.51 2561.51,1726.51 2597,1762 v1(2597,1763) ; Q3.2@2743.43,168.77 2743.43,120.75 v1(2746.06,118.11) v1(2746.06,78.74) ; R29.1@2988.46,170 v1(3042,170) ; U5.2@3123.77,1174 3084.4,1174 3070.62,1187.78 3070.62,1214.62 3071,1215 3071,1238.32 3093.66,1260.98 3097.6,1260.98 3102.36,1265.75 C14.1@3102.36,1269.68 3141.69,1269.68 v1(3144,1272) ; U4.2@3123.77,1437.01 3092.18,1437.01 3080.46,1448.72 3080.46,1514.58 3092.18,1526.3 3093.66,1526.3 3098.43,1531.06 C13.1@3098.43,1535 v1(3143,1535)
  Solder Side w25: J2.19@177.17,470.47 302.53,470.47 v1(307,466) ; J2.17@177.17,570.47 307.53,570.47 v1(309,569) ; v1(2302,1887) 2318,1871 C8.2@2357,1871 C11.2@2422,1871 2473,1871 v1(2480,1878) ; C19.1@2886.82,1527.56 C19.1@2898.82,1527.56 ; v1(2889.37,1640.5) 2886.82,1637.95 2886.82,1594.49 C20.1@2898.82,1594.49 ; v1(2933.07,1527.56) C19.1@2898.82,1527.56 ; v1(2933.07,1598.42) 2929.14,1594.49 C20.1@2898.82,1594.49 ; C19.1@2898.82,1527.56 C20.1@2898.82,1594.49
  other v1: 2878,1782
LED_CAP: R22.1 U2.A2 | length 608.8
  Component Side w5: U2.A2@1673.23,1200.79 1673.23,1226.77 1663.5,1236.5 1663.5,1257.65 1664,1258.15 1664,1321.42 1663.5,1321.92 1663.5,1354.5 v1@1679,1370
  Solder Side w10: R22.1@1628.74,1734.54 1626.77,1734.54 1614.06,1721.82 1614.06,1715.05 1578.19,1679.19 1578.19,1464.81 v1(1675,1368)
LED_ERR: R21.1 U7.86 | length 1064
  Component Side w6: v1(515.27,1096.45) 574.48,1096.45 582.03,1104 636.37,1104 676.22,1064.15 686.29,1064.15 686.82,1063.62 U7.86@747.05,1063.62
  Solder Side w6: v1@523,1093.59 523,1095.87 523.58,1096.45 560.94,1096.45 568.48,1104 643,1104 686,1061 691,1061 696.02,1066.02 699.23,1066.02 710.94,1077.73 710.94,1094.3 703.56,1101.69 703.56,1466 718,1480.44 718,1585 731.42,1598.42 R21.1@790.18,1598.42
LED_TRIG: R23.1 U2.D2 | length 508.3
  Component Side w5: U2.D2@1673.23,1082.68 1692.09,1101.54 v1(1692.09,1102.36) ; v1(1683,1330) 1683,1251 v1@1684,1250
  Solder Side w5: v1(1683,1249.57) 1692.09,1240.48 v1(1692.09,1102.36)
  Solder Side w10: R23.1@1628.74,1503.78 1670,1503.78 1718,1455.78 1718,1365 v1(1683,1330)
LED_USB: R20.1 U7.85 | length 807.7
  Component Side w6: v1(690.94,1086.02) 693.65,1083.31 U7.85@747.05,1083.31
  Solder Side w6: v1(690.94,1086.02) 690.94,1468.95 706,1484 706,1711 776.88,1781.88 776.88,1787.55 782.34,1793 R20.1@788,1793
NetC13_2: C13.2 J3.1 U4.5 | length 422.7
  Component Side w10: 3014.52,1766.57 3027.48,1779.53 J3.1@3074.8,1779.53
  Component Side w25: 3001.97,1731.43 3001.97,1754.02 3014.52,1766.57
  Component Side w50: v1(3001.97,1536.84) 3001.97,1731.43
  Solder Side w12: 3002,1491 3002,1489.88 3002.8,1489.08 3002.8,1480.22 3008.61,1474.41 U4.5@3017.47,1474.41
  Solder Side w20: v1@3007,1538 3010,1535 C13.2@3043.31,1535
  Solder Side w50: 3002,1491 3002,1546 v1@3003,1547
NetC14_2: C14.2 C65.1 PTC2.2 U5.5 | length 1351.5
  Component Side w25: PTC2.2@2923.68,2107 2923.68,2129.41 2940.7,2146.43 C65.1@3058,2146.43 3127.57,2146.43 3128,2146 v1(3131,2146)
  Power Plane w25: v1(3011,1260.16) 3011,1269 3073,1331 3073,1644 3004,1713 3004,1959 3063,2018 3116.36,2018 3131.5,2033.14 3131.5,2142.5 v1@3131,2143
  Solder Side w25: U5.5@3017.47,1211.4 3017.47,1253.69 v1(3011,1260.16) 3015.64,1264.79 3044.98,1264.79 3047.24,1267.06 C14.2@3047.24,1269.68
NetC15_1: C15.1 C16.1 U3.27 U3.49 | length 772.9
  Component Side w6: v1(2093.53,1790.2) 2096.46,1787.27 U3.27@2096.46,1736.22 ; v1@2194.88,1344.07 U3.49@2194.88,1413.39
  Solder Side w10: v1(2206.69,1343) 2206.69,1387.31 2168.8,1425.2 2168.8,1578.8 2210,1620 2210,1646.53 2210,1647
  Solder Side w12: v1(2093.53,1790.2) 2094.67,1791.34 C15.1@2174.63,1791.34 ; C16.1@2174.63,1858.66 C15.1@2174.63,1791.34 ; v1(2206.69,1343) v1@2208.99,1345.3 ; 2210,1646.53 2207,1649.53 2207,1720.17 2174.63,1752.54 C15.1@2174.63,1791.34
NetC17_1: C17.1 C18.1 U3.53 | length 286.8
  Component Side w5: U3.53@2273.62,1413.39 2273.62,1374.65 v1(2290,1358.27)
  Solder Side w20: C17.1@2193.56,1523 C18.1@2193.56,1462 2193.56,1441.44 2229,1406 2264.47,1406 2276.18,1394.28 2276.18,1393.46 2288,1381.64 v1@2288,1358
NetC19_2: C19.2 C20.2 J4.1 | length 201.5
  Solder Side w25: J4.1@2793.7,1420.47 2816.63,1443.41 2816.63,1459.94 2844,1487.31 2844,1578.4 C20.2@2845.96,1576.44 ; C20.2@2843.7,1594.49 2845.96,1592.22 C20.2@2845.96,1576.44 ; 2846.65,1575.75 C20.2@2845.96,1576.44
NetC21_1: C21.1 L1.2 R9.1 U7.79 | length 239.3
  Component Side w10: U7.79@747.05,1201.42 791.52,1201.42 810.29,1182.65 v1(816.61,1182.65)
  Solder Side w10: v1(816.61,1182.65) 860.65,1182.65 862.21,1184.21 ; R9.1@862.21,1089.19 862.21,1184.21 ; C21.1@868,1195 862.21,1189.21 862.21,1184.21 ; C21.1@869.96,1194.42 873.54,1198 C21.1@876,1198
NetC22_1: C22.1 R9.2 | length 74.4
  Solder Side w12: R9.2@929.13,1089.19 959.19,1089.19 975,1105 C22.1@975,1127
NetC36_1: C36.1 U7.74 X2.1 | length 387.9
  Component Side w6: U7.74@826.77,1320.51 826.46,1320.83 826.46,1417.01 860.83,1451.39 885.83,1451.39 890.07,1455.63 890.07,1552.13 901.15,1563.2 932.65,1563.2 X2.1@933.07,1563.62
  Component Side w10: X2.1@933.07,1563.62 987.09,1563.62 C36.1@996.54,1554.17
NetC37_1: C37.1 U7.75 X2.3 | length 260.3
  Component Side w6: U7.75@807.09,1320.51 807.09,1431.89 841.74,1466.54 841.74,1491.97 X2.3@846.46,1496.69
  Component Side w10: C37.1@787.4,1517.95 808.66,1496.69 X2.3@846.46,1496.69
NetC38_1: C38.1 R19.1 U7.78 | length 198.3
  Component Side w10: U7.78@747.05,1221.1 799.49,1221.1 806.07,1214.52 810.56,1214.52 819.05,1223 v1(822.83,1223)
  Solder Side w20: C38.1@744.42,1273.38 749.18,1268.61 760.22,1268.61 764.83,1264 R19.1@804,1264 ; R19.1@806,1267.47 807.97,1267.47 815.69,1259.76 815.69,1257.79 821,1252.47 v1@821,1222
NetD1_A: D1.A R2.1 | length 59.5
  Solder Side w12: D1.A@2631.89,1515.91 2631.89,1457.36 R2.1@2632.56,1456.69
NetD1_K: D1.K Q1.3 | length 940.7
  Solder Side w8: D1.K@2564.96,1515.91 2568.99,1519.93 2568.99,1537.79 2573.67,1542.48 2654.74,1542.48 2686.02,1511.2 2770.82,1511.2 2805.11,1545.49 2805.11,1745.22 2742,1808.33 2742,1809.03 2737.31,1813.71 2662.96,1813.71 2649.23,1827.44 2649.23,2014.39 2672.24,2037.4 Q1.3@2714.57,2037.4
NetD2_A: D2.A R3.1 | length 60
  Solder Side w12: D2.A@2631.89,1279.68 2633.86,1277.72 R3.1@2633.86,1220.47
NetD2_K: D2.K Q2.3 | length 828.1
  Solder Side w8: D2.K@2564.96,1279.68 2555.06,1289.59 2555.06,1336.04 2572.5,1353.48 2610.85,1353.48 2666.02,1408.66 2666.02,1486.31 2670.71,1491 2769,1491 2818.11,1540.11 2818.11,1750.6 2755,1813.71 2755,1842.31 2750.31,1847 2738.88,1847 2738.37,1847.5 2723.36,1847.5 Q2.3@2714.57,1856.3
NetD3_A: D3.A R20.2 | length 91.8
  Solder Side w12: R20.2@859,1807 860.88,1805.12 D3.A@950,1805.12
NetD4_A: D4.A R21.2 | length 97.6
  Solder Side w12: R21.2@864,1597 866.3,1594.7 924.2,1594.7 D4.A@950,1568.9
NetD5_A: D5.A R22.2 | length 146.6
  Solder Side w12: R22.2@1630.74,1797.49 1634.72,1801.47 1770.56,1801.47 D5.A@1774.21,1805.12
NetD6_A: D6.A R23.2 | length 197.2
  Solder Side w12: R23.2@1628.74,1570.71 1628.74,1596.3 1646.61,1614.17 1728.94,1614.17 D6.A@1774.21,1568.9
NetJ1_1: J1.1 PTC1.1 | length 360.8
  Component Side w12: J1.1@192.91,1878.94 233.27,1878.94 236.22,1881.89
  Component Side w20: PTC1.1@133.86,2106.3 133.86,2019.08 180.49,1972.44 241.24,1972.44 252.95,1960.73 252.95,1898.62 236.22,1881.89
NetJ2_4: J2.4 R42.1 | length 264.2
  Component Side w10: J2.4@177.17,1270.47 188.93,1282.24 278.77,1282.24 297.47,1300.94 386.36,1300.94 393.7,1293.6 R42.1@393.7,1261.57
NetJ2_5: J2.5 R43.2 | length 163.8
  Solder Side w10: J2.5@177.17,1170.47 262.65,1170.48 283.19,1191.02 R43.2@332.5,1191.02
NetJ2_6: J2.6 R44.1 | length 265.7
  Component Side w10: J2.6@177.17,1170.47 197.17,1190.47 269.91,1190.47 283.38,1203.94 390.64,1203.94 396.5,1198.09 R44.1@396.5,1168
NetJ2_7: J2.7 R45.2 | length 164.3
  Solder Side w10: J2.7@177.17,1070.47 267.17,1070.47 274.12,1077.42 R45.2@338.63,1077.42
NetJ2_9: J2.9 R46.2 | length 155.4
  Solder Side w10: J2.9@177.17,970.47 327.17,970.47 R46.2@330.98,966.65
NetJ2_10: J2.10 R47.1 | length 184.5
  Component Side w10: J2.10@177.17,970.47 329.35,970.47 336.87,977.99 R47.1@358.51,977.99
NetJ2_11: J2.11 R48.2 | length 154.7
  Solder Side w10: J2.11@177.17,870.47 197.17,890.47 286.51,890.47 296.66,900.62 315.69,900.62 R48.2@318.32,898
NetJ2_12: J2.12 R49.1 | length 195.7
  Component Side w10: J2.12@177.17,870.47 194.85,888.16 362.28,888.16 R49.1@364.58,885.86
NetJ2_13: J2.13 R50.2 | length 147
  Solder Side w10: J2.13@177.17,770.47 187.88,781.19 R50.2@319.71,781.19
NetJ2_14: J2.14 R51.1 | length 190.8
  Component Side w10: J2.14@177.17,770.47 194.23,787.54 R51.1@360.85,787.54
NetJ2_15: J2.15 R52.2 | length 153.9
  Solder Side w10: J2.15@177.17,670.47 291.19,670.47 R52.2@319.36,698.64
NetJ2_16: J2.16 R53.1 | length 203.9
  Component Side w10: J2.16@177.17,670.47 292.59,670.47 R53.1@355.17,607.89
NetJ4_2: J4.2 J4.4 U4.1 U5.1 | length 783.9
  Solder Side w25: J4.4@2893.7,1320.47 2898.99,1325.76 2941.55,1325.76 2952.76,1336.96 3180.82,1336.96 ; U4.1@3123.77,1474.41 3124.46,1473.72 3135.8,1473.72 3137.08,1472.44 3184.17,1472.44 3198.82,1457.8 3198.82,1354.96 3180.82,1336.96 ; U5.1@3132.84,1211.4 3165.9,1211.4 3198.82,1244.32 3198.82,1316.93 3180.82,1334.93 3180.82,1336.96
  Solder Side w50: J4.4@2893.7,1320.47 J4.2@2893.7,1420.47
NetJ4_3: J4.3 J4.5 R4.1 | length 227.5
  Solder Side w25: J4.3@2793.7,1320.47 J4.5@2793.7,1220.47 2793.7,1136.44 2808.35,1121.79 2816.63,1121.79 2819.88,1118.55 R4.1@2819.88,1108.7
NetJ7_3: J7.3 R33.2 | length 78.7
  Component Side w8: J7.3@1306.3,336.22 1306.48,336.4 1306.48,414.59 R33.2@1306.67,414.78
NetJ7_5: J7.5 R34.2 | length 99
  Component Side w8: R34.2@1377.56,418.31 R34.2@1374.02,414.77 1374.02,368.5 1402.76,339.76 J7.5@1409.84,339.76
NetJ7_7: J7.7 R35.2 | length 87.9
  Component Side w8: R35.2@1483.8,414.76 1483.8,373.06 1506.3,350.57 J7.7@1506.3,336.22
NetJ7_9: J7.9 R36.2 | length 84.3
  Component Side w8: R36.2@1592.26,414.75 1599.28,407.73 1599.28,343.24 J7.9@1606.3,336.22
NetJ7_11: J7.11 R37.2 | length 83.3
  Component Side w8: R37.2@1694.68,414.76 1700.49,408.95 1700.49,342.03 J7.11@1706.3,336.22
NetJ7_13: J7.13 R38.2 | length 81.5
  Component Side w8: R38.2@1799.21,414.76 1802.76,411.22 1802.76,339.76 J7.13@1806.3,336.22
NetJ7_15: J7.15 R39.2 | length 79.7
  Component Side w8: R39.2@1903.54,414.76 1904.92,413.39 1904.92,337.6 J7.15@1906.3,336.22
NetJ7_17: J7.17 R40.2 | length 79.4
  Component Side w8: J7.17@2006.3,336.22 2007.3,337.22 2007.3,413.76 R40.2@2008.3,414.76
NetJ7_19: J7.19 R41.2 | length 83.6
  Component Side w8: J7.19@2106.3,336.22 2112.36,342.29 2112.36,408.69 R41.2@2118.43,414.75
NetJ9_1: J9.1 R24.2 | length 245
  Component Side w6: J9.1@861.42,442.91 884.91,442.91 1086.67,442.91 R24.2@1092.62,436.96
  Component Side w10: J9.1@881,439 884.91,442.91 J9.1@889,447
NetL2_1: L2.1 U8.13 U8.14 U8.15 | length 246.6
  Component Side w8: 1122,1972 1123.72,1973.72 U8.13@1123.72,2006.89 ; 1142,1956 1140,1958 1140,1973 1143.41,1976.41 U8.14@1143.41,2006.89 ; 1159,1971 1163.09,1975.09 U8.15@1163.09,2006.89
  Component Side w50: L2.1@1101,1859 1101,1881.47 1101.97,1882.44 1112.71,1882.44 1142,1911.73 1142,1956
NetL3_1: L3.1 U9.13 U9.14 U9.15 | length 198.9
  Component Side w8: U9.13@1555.98,2010.41 1555.98,1976.02 1557,1975 ; U9.14@1575.66,2010.41 1575.66,1975.66 1575,1975 1575,1962 1579,1958 ; U9.15@1595.35,2010.41 1595.35,1974.65 1597,1973
  Component Side w50: L3.1@1575,1889 1579,1893 1579,1958
NetQ3_3: Q3.3 R8.1 | length 147.7
  Solder Side w25: R8.1@2651.36,227.16 2654.61,230.41 2681.05,230.41 2721.77,271.13 Q3.3@2780.83,271.13
NetR5_1: R5.1 U3.56 | length 97.9
  Component Side w6: U3.56@2332.68,1413.39 2358.27,1413.39 2362.2,1409.45 v1(2362.2,1408.46)
  Solder Side w20: v1(2362.2,1408.46) 2413.13,1408.46 2421,1416.33 R5.1@2421,1420
NetR15_1: R15.1 SJ1.1 U7.43 | length 235.9
  Component Side w6: U7.43@1339.57,1122.68 1422.92,1122.68 v1(1434.36,1111.24)
  Solder Side w12: SJ1.1@1345,1172 1378,1172 1396.65,1153.35 R15.1@1396.65,1109.58 1397.48,1110.41 1428.82,1110.41 1429,1110.59 v1@1429,1111
NetR16_1: R16.1 U7.42 | length 160.9
  Component Side w6: U7.42@1339.57,1102.99 1398.98,1102.99 v1(1437.01,1064.96)
  Solder Side w12: R16.1@1396.65,1047.24 1405.59,1056.18 1424.98,1056.18 1433.76,1064.96 v1(1437.01,1064.96)
NetR17_2: R17.2 U7.81 | length 157.6
  Component Side w8: 696,1164 697.95,1162.05 U7.81@747.05,1162.05
  Component Side w10: R17.2@604.16,1194.55 R17.2@605.68,1196.07
  Component Side w12: R17.2@605.68,1196.07 663.93,1196.07 696,1164
NetR18_2: R18.2 U7.80 | length 109.7
  Component Side w8: 703.56,1185 706.82,1181.73 U7.80@747.05,1181.73
  Component Side w10: R18.2@660.03,1241.8 R18.2@662,1241.8
  Component Side w12: R18.2@662,1229.54 663.97,1229.54 675.69,1217.82 675.69,1212.87 703.56,1185
NetR25_2: R25.2 R26.1 U8.4 | length 179.1
  Component Side w6: U8.4@1213.29,2096.46 1221.75,2096.46 1223.53,2098.23 1223.53,2106.7 1250,2133.17 v1(1250,2143)
  Solder Side w6: v1@1247,2143 1250.69,2139.31 1250.69,2100.81 R25.2@1250.69,2100.39
  Solder Side w12: R25.2@1250.69,2100.81 ccw(c1252.61,2105) 1252.61,2100.39 R26.1@1318.9,2100.39
NetR27_2: R27.2 R28.1 U9.4 | length 166.6
  Component Side w6: U9.4@1645.54,2099.98 1654.01,2099.98 1655.78,2101.76 1655.78,2110.22 1673,2127.44 v1(1673,2139) v1@1673,2140
  Solder Side w6: R27.2@1645.54,2094.08 1646.74,2094.08 1662.23,2109.57 1662.23,2110.76 1670,2118.53 v1@1670,2134
  Solder Side w12: R27.2@1646.74,2094.08 1702.08,2094.08 R28.1@1705,2097
PWR_ON: U7.67 U8.7 U9.7 | length 1640.7
  Component Side w5: v3(964,1399) 964.57,1398.43 U7.67@964.57,1320.51 ; v3(1044.67,2131.84) 1069.82,2157 1140.48,2157 1143.41,2154.07 U8.7@1143.41,2126.97 ; v3@1478,2139 v3(1477,2140) 1477,2154.57 1479.93,2157.5 1572.23,2157.5 1575.66,2154.07 U9.7@1575.66,2130.49
  Solder Side w5: v3(964,1399) 998,1399 1064,1465 1064,2079 1043,2100 1043,2130.18 v3(1044.67,2131.84) 1044.67,2149.67 1076,2181 1436,2181 v3(1477,2140)